# Altium PCB ZhuKong.PcbDoc (part 6 of 6)
Units mm, origin at the board's own origin, x right, y up, seen from the top; angles counter-clockwise.
Board outline 178.45 x 113.25 mm, 2 copper layers (Top Layer, Bottom Layer); 395 components, 351 nets, 1367 pads, 848 vias.
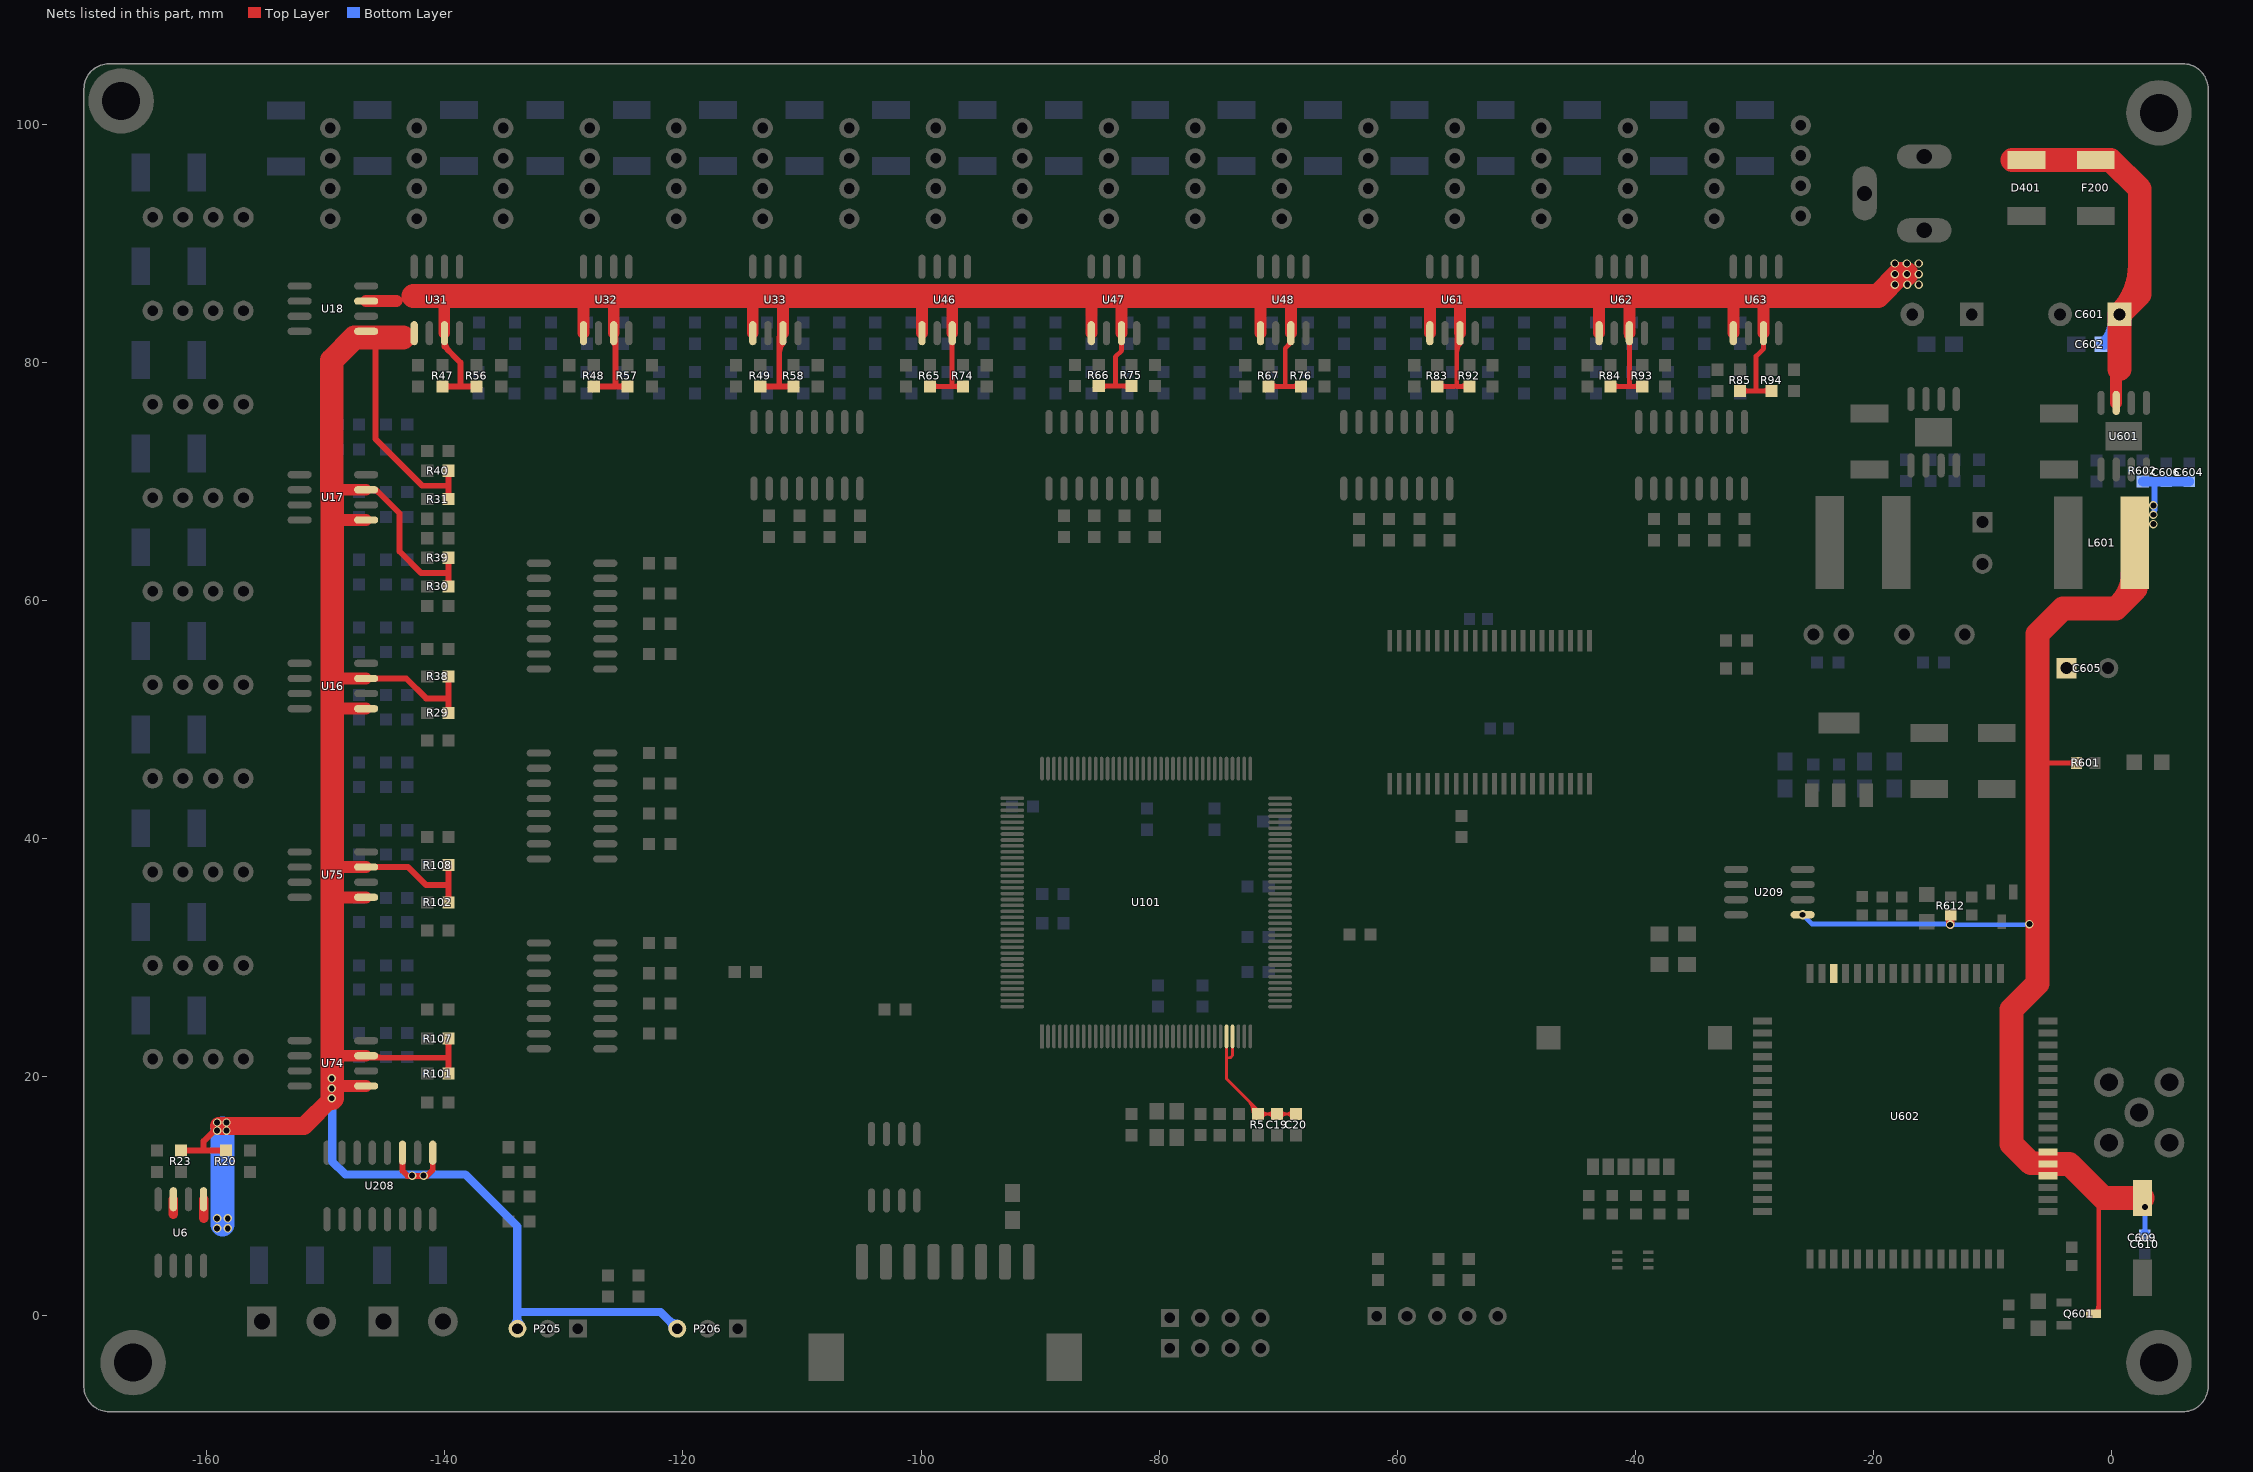
[diagram p6: the nets of this part, all layers, seen from the top]

## Via types
v1: diameter 0.5, hole 0.4, Top Layer to Bottom Layer, tented both sides, 554 vias
v2: diameter 0.7, hole 0.5, Top Layer to Bottom Layer, tented both sides, 134 vias
v3: diameter 0.6, hole 0.4, Top Layer to Bottom Layer, tented both sides, 77 vias
v4: diameter 0.7, hole 0.4, Top Layer to Bottom Layer, tented both sides, 40 vias
v5: diameter 0.8, hole 0.5, Top Layer to Bottom Layer, tented both sides, 32 vias
v6: diameter 0.5, hole 0.4, Top Layer to Bottom Layer, 5 vias
v7: diameter 0.9, hole 0.5, Top Layer to Bottom Layer, tented both sides, 4 vias
v8: diameter 0.5, hole 0.4, Top Layer to Bottom Layer, tented bottom, 1 vias
v9: diameter 0.8, hole 0.4, Top Layer to Bottom Layer, tented both sides, 1 vias

## Nets (pads, with @x,y where several pads share a name; then routed paths per layer and width w, separated by ;. In a path a pad name is that pad's centre, name@x,y a point inside that pad or via, vN(x,y) a via of type N, cw(c..) or ccw(c..) an arc to the next point about the centre after c; other vN are vias at no path point) (continued)
VCC12: C601.1 C602.1 D401.2 F200.1 P205.3 P206.3 R20.2 R23.2 R29.2 R30.2 R31.2 R38.2 R39.2 R40.2 R47.2 R48.2 R49.2 R56.2 R57.2 R58.2 R65.2 R66.2 R67.2 R74.2 R75.2 R76.2 R83.2 R84.2 R85.2 R92.2 R93.2 R94.2 R101.2 R102.2 R107.2 R108.2 U6.1 U6.3 U16.1 U16.3 U17.1 U17.3 U18.1 U18.3 U31.1 U31.3 U32.1 U32.3 U33.1 U33.3 U46.1 U46.3 U47.1 U47.3 U48.1 U48.3 U61.1 U61.3 U62.1 U62.3 U63.1 U63.3 U74.1 U74.3 U75.1 U75.3 U208.1 U208.3 U601.7 | length 564.9
  Top Layer w0.4: R65.2@-99.261,78.019 -97.282,78.019 ; R65.2@-99.043,77.801 cw(c-98.518,77.275) -98.518,78.019 cw(c-98.518,78.762) R65.2@-99.043,78.236 ; -97.398,81.471 cw(c-97.069,81.471) U46.3@-97.301,81.704 ; U46.3@-97.398,82.467 -97.398,78.134 -97.282,78.019 ; R74.2@-96.707,77.801 ccw(c-97.233,77.275) -97.233,78.019 ccw(c-97.233,78.762) R74.2@-96.707,78.236 ; R74.2@-96.49,78.019 -97.282,78.019 ; R66.2@-85.068,78.044 -83.668,78.044 ; R66.2@-84.85,77.826 cw(c-84.324,77.3) -84.324,78.044 cw(c-84.324,78.788) R66.2@-84.85,78.262 ; U47.3@-83.154,82.489 -83.154,81.006 -83.668,80.493 -83.668,78.044 ; R75.2@-82.538,77.826 ccw(c-83.064,77.3) -83.064,78.044 ccw(c-83.064,78.788) R75.2@-82.538,78.262 ; R75.2@-82.321,78.044 -83.668,78.044 ; R67.2@-70.798,78.019 -69.393,78.019 ; R67.2@-70.581,77.801 cw(c-70.055,77.275) -70.055,78.019 cw(c-70.055,78.762) R67.2@-70.581,78.236 ; -69.176,81.446 ccw(c-69.507,81.778) U48.3@-69.038,81.778 ; U48.3@-68.934,82.489 -68.934,81.688 -69.393,81.229 -69.393,78.019 ; R76.2@-68.293,77.801 ccw(c-68.819,77.275) -68.819,78.019 ccw(c-68.819,78.762) R76.2@-68.293,78.236 ; R76.2@-68.075,78.019 -69.393,78.019 ; R83.2@-56.631,78.019 -55.22,78.019 ; R83.2@-56.413,77.801 cw(c-55.887,77.275) -55.887,78.019 cw(c-55.887,78.762) R83.2@-56.413,78.236 ; -54.991,80.853 cw(c-53.788,80.853) U61.3@-54.639,81.704 ; U61.3@-54.713,82.489 -54.991,82.211 -54.991,78.019 R92.2@-53.932,78.019 ; R92.2@-54.15,77.801 ccw(c-54.675,77.275) -54.675,78.019 ccw(c-54.675,78.762) R92.2@-54.15,78.236 ; R84.2@-42.082,78.019 R93.2@-39.407,78.019 ; R84.2@-41.864,77.801 cw(c-41.338,77.275) -41.338,78.019 cw(c-41.338,78.762) R84.2@-41.864,78.236 ; U62.3@-40.742,82.239 -40.488,81.985 -40.488,78.019 ; R93.2@-39.625,77.801 ccw(c-40.151,77.275) -40.151,78.019 ccw(c-40.151,78.762) R93.2@-39.625,78.236 ; R85.2@-31.19,77.638 -29.845,77.638 ; R85.2@-30.973,77.42 cw(c-30.447,76.894) -30.447,77.638 cw(c-30.447,78.381) R85.2@-30.973,77.855 ; U63.3@-29.218,82.489 -29.218,81.196 -29.845,80.569 -29.845,77.638 ; R94.2@-28.758,77.42 ccw(c-29.284,76.894) -29.284,77.638 ccw(c-29.284,78.381) R94.2@-28.758,77.855 ; R94.2@-28.54,77.638 -29.845,77.638
  Top Layer w0.5: R23.2@-162.186,13.81 -160.274,13.81 ; R23.2@-162.003,13.628 cw(c-161.563,13.187) -161.563,13.81 cw(c-161.563,14.433) R23.2@-162.003,13.992 ; v2@-159.004,15.875 -160.274,14.605 -160.274,13.81 ; R20.2@-158.575,13.628 ccw(c-159.016,13.187) -159.016,13.81 ccw(c-159.016,14.433) R20.2@-158.575,13.992 ; R20.2@-158.393,13.81 -160.274,13.81 ; U75.3@-146.616,37.633 -143.093,37.633 -141.58,36.119 -139.708,36.119 ; U16.3@-146.616,53.482 -143.246,53.482 -141.58,51.816 -139.708,51.816 ; U17.3@-146.616,69.332 -145.786,69.332 -143.815,67.361 -143.815,64.16 -141.986,62.332 -139.708,62.332 ; U74.3@-146.449,21.615 -139.708,21.615 ; U17.3@-145.905,69.277 cw(c-145.905,68.856) -145.608,69.154 ; U74.3@-145.866,21.822 ccw(c-145.368,22.32) -145.368,21.615 ; -145.847,82.118 -145.847,73.609 -141.91,69.672 -139.708,69.672 ; U208.3@-143.561,13.64 -143.561,12.116 -143.129,11.684 -141.529,11.684 -141.021,12.192 U208.1@-141.021,13.64 ; R47.2@-140.19,78.019 -138.684,78.019 ; U31.3@-140.038,82.489 -140.038,81.364 -138.684,80.01 -138.684,78.019 ; R47.2@-140.008,77.836 cw(c-139.567,77.396) -139.567,78.019 cw(c-139.567,78.641) R47.2@-140.008,78.201 ; U31.3@-139.983,81.778 ccw(c-138.851,81.778) -139.652,80.978 ; R101.2@-139.89,20.464 ccw(c-140.33,20.904) -139.708,20.904 ccw(c-139.085,20.904) R101.2@-139.525,20.464 ; R107.2@-139.89,23.042 cw(c-140.33,22.601) -139.708,22.601 cw(c-139.085,22.601) R107.2@-139.525,23.042 ; R102.2@-139.89,34.854 ccw(c-140.33,35.294) -139.708,35.294 ccw(c-139.085,35.294) R102.2@-139.525,34.854 ; R108.2@-139.89,37.623 cw(c-140.33,37.183) -139.708,37.183 cw(c-139.085,37.183) R108.2@-139.525,37.623 ; R29.2@-139.89,50.768 ccw(c-140.33,51.209) -139.708,51.209 ccw(c-139.085,51.209) R29.2@-139.525,50.768 ; R38.2@-139.89,53.475 cw(c-140.33,53.035) -139.708,53.035 cw(c-139.085,53.035) R38.2@-139.525,53.475 ; R30.2@-139.89,61.401 ccw(c-140.33,61.841) -139.708,61.841 ccw(c-139.085,61.841) R30.2@-139.525,61.401 ; R39.2@-139.89,63.438 cw(c-140.33,62.998) -139.708,62.998 cw(c-139.085,62.998) R39.2@-139.525,63.438 ; R31.2@-139.89,68.723 ccw(c-140.33,69.164) -139.708,69.164 ccw(c-139.085,69.164) R31.2@-139.525,68.723 ; R40.2@-139.89,70.75 cw(c-140.33,70.309) -139.708,70.309 cw(c-139.085,70.309) R40.2@-139.525,70.75 ; R101.2@-139.708,20.281 -139.708,21.615 ; R107.2@-139.708,23.224 -139.708,21.615 ; R102.2@-139.708,34.672 -139.708,36.119 ; R108.2@-139.708,37.806 -139.708,36.119 ; R29.2@-139.708,50.586 -139.708,51.816 ; R38.2@-139.708,53.657 -139.708,51.816 ; R30.2@-139.708,61.218 -139.708,62.332 ; R39.2@-139.708,63.62 -139.708,62.332 ; R31.2@-139.708,68.541 -139.708,69.672 ; R40.2@-139.708,70.932 -139.708,69.672 ; R56.2@-137.528,77.836 ccw(c-137.968,77.396) -137.968,78.019 ccw(c-137.968,78.641) R56.2@-137.528,78.201 ; R56.2@-137.345,78.019 -138.684,78.019 ; R48.2@-127.495,78.019 -125.679,78.019 ; R48.2@-127.313,77.836 cw(c-126.873,77.396) -126.873,78.019 cw(c-126.873,78.641) R48.2@-127.313,78.201 ; U32.3@-125.856,81.739 cw(c-126.282,81.313) -125.679,81.313 ; U32.3@-125.679,82.351 -125.679,78.019 ; R57.2@-124.857,77.836 ccw(c-125.298,77.396) -125.298,78.019 ccw(c-125.298,78.641) R57.2@-124.857,78.201 ; R57.2@-124.675,78.019 -125.679,78.019 ; R49.2@-113.505,78.019 -112.039,78.019 ; R49.2@-113.323,77.836 cw(c-112.883,77.396) -112.883,78.019 cw(c-112.883,78.641) R49.2@-113.323,78.201 ; -111.912,80.882 cw(c-110.7,80.882) U33.3@-111.557,81.739 ; -111.912,82.042 cw(c-111.512,82.042) U33.3@-111.586,82.435 ; U33.3@-111.596,82.489 -111.912,82.173 -111.912,78.019 R58.2@-110.709,78.019 ; R58.2@-110.892,77.836 ccw(c-111.332,77.396) -111.332,78.019 ccw(c-111.332,78.641) R58.2@-110.892,78.201
  Top Layer w0.8: -162.814,8.458 U6.3@-162.814,9.728 ; -160.274,8.128 U6.1@-160.274,9.728
  Top Layer w1: -149.469,35.093 U75.1@-146.616,35.093 ; -149.469,69.332 U17.3@-146.616,69.332 ; v2@-149.432,19.243 U74.1@-146.616,19.243 ; -149.418,21.783 U74.3@-146.616,21.783 ; -149.418,37.633 U75.3@-146.616,37.633 ; -149.393,50.942 U16.1@-146.616,50.942 ; -149.337,53.482 U16.3@-146.616,53.482 ; -149.286,66.792 U17.1@-146.616,66.792 ; U18.3@-146.616,85.181 -144.059,85.181 ; U31.3@-140.056,82.507 -140.056,85.623 ; U32.1@-128.357,82.489 -128.357,85.587 -128.321,85.623 ; U32.3@-125.817,82.489 -125.817,85.558 ; U33.1@-114.136,82.489 -114.136,85.409 ; U33.3@-111.596,82.489 -111.596,85.434 ; U46.1@-99.915,82.489 -99.915,85.59 ; U46.3@-97.375,82.489 -97.375,85.428 ; U47.1@-85.694,82.489 -85.694,85.517 ; U47.3@-83.154,82.489 -83.154,85.466 ; U48.1@-71.474,82.489 -71.474,85.393 ; U48.3@-68.934,82.489 -68.934,85.52 ; U61.1@-57.253,82.489 -57.253,85.32 ; U61.3@-54.713,82.489 -54.713,85.47 ; U62.1@-43.032,82.489 -43.032,85.552 ; U62.3@-40.492,82.489 -40.492,85.45 ; U63.1@-31.758,82.489 -31.758,85.301 ; U63.3@-29.218,82.489 -29.218,85.623 ; U601.7@0.406,76.632 0.406,79.172
  Top Layer w1.5: v2@-159.004,15.875 -151.841,15.875 v2@-149.469,18.247
  Top Layer w2: -149.504,69.332 -149.504,80.213 -147.599,82.118 -145.847,82.118 -143.51,82.118 ; v2@-149.469,18.247 -149.469,35.093 -149.469,69.332 ; -142.637,85.623 -140.056,85.623 -128.393,85.623 ; -128.321,85.623 -29.218,85.623 -19.609,85.623 -17.78,87.452 v2(-17.183,87.452) ; D401.2@-8.331,97.041 F200.1@-1.309,97.041 -0.064,97.041 2.388,94.59 2.388,85.765 C601.1@0.697,84.074 ; 0.697,79.462 C601.1@0.697,84.074 ; 2.388,88.156 cw(c-3.386,88.156) C601.1@0.697,84.074
  Bottom Layer w0.7: v2@-149.469,19.66 -149.469,12.918 -148.361,11.811 -138.278,11.811 -133.909,7.442 -133.909,0.254 ; P205.3@-134.192,-0.86 ccw(c-134.874,-0.177) -133.909,-0.177 ccw(c-132.943,-0.177) P205.3@-133.626,-0.86 ; P205.3@-133.909,-1.143 -133.909,0.254 ; P206.3@-120.872,-1.143 ccw(c-121.838,-1.143) -121.155,-0.46 ccw(c-120.472,0.223) P206.3@-120.472,-0.743 ; P206.3@-120.472,-1.143 -121.869,0.254 -133.909,0.254
  Bottom Layer w1: C602.1@-0.66,81.559 0.697,82.916 ; C602.1@-0.66,81.559 ccw(c-2.782,83.682) C601.1@0.2,84.018 ; C601.1@0.354,83.71 cw(c-0.393,82.916) 0.697,82.916 ; C601.1@0.697,84.074 0.697,82.916 ; 0.808,83.028 ccw(c-0.144,83.979) C601.1@1.193,84.13 ; C601.1@1.039,83.71 ccw(c1.786,82.916) 0.697,82.916
  Bottom Layer w2: -158.674,7.62 -158.674,15.697
  other v2: -159.131,7.29 -158.242,7.29 -159.131,8.128 -158.242,8.128 -142.748,11.709 -141.783,11.709 -159.131,15.494 -158.344,15.494 -159.131,16.18 -158.344,16.18 -149.504,18.212 -149.504,19.05 -149.504,19.888 -18.186,86.563 -17.145,86.563 -16.18,86.563 -18.186,87.452 -16.18,87.452 -18.186,88.341 -17.183,88.341 -16.18,88.341
VCC_GPRS: C604.1 C605.1 C606.2 C609.1 C610.1 L601.2 Q601.3 R601.1 R602.2 R612.1 U209.1 U602.55 U602.56 U602.57 | length 123.7
  Top Layer w0.4: R612.1@-13.47,33.579 R612.1@-13.411,33.579 ; -8.382,25.679 -6.883,27.178 v2(-6.883,32.842) ; -5.944,46.38 R601.1@-2.929,46.38 ; R601.1@-3.116,46.193 ccw(c-3.569,45.741) -3.569,46.38 ccw(c-3.569,47.02) R601.1@-3.116,46.568 ; Q601.3@-1.493,0.102 -1.067,0.528 ; Q601.3@-1.324,0.208 ccw(c-1.946,0.829) -1.067,0.829 ; Q601.3@-1.268,0.243 ccw(c-1.369,0.528) -1.067,0.528 ; Q601.3@-1.096,0.188 cw(c-0.88,0.341) -1.067,0.528 ; -0.662,9.831 -1.067,9.426 -1.067,0.528
  Top Layer w0.7: v2(-13.538,32.791) R612.1@-13.538,33.511
  Top Layer w2: U602.56@-5.817,12.751 -6.756,12.751 -8.382,14.376 -8.382,25.679 -6.198,27.864 -6.198,57.226 -4.064,59.36 0.381,59.36 2.032,61.011 L601.2@2.032,63.809 ; U602.56@-4.851,12.702 -3.533,12.702 -0.662,9.831 C609.1@2.616,9.831 ; 0.78,59.759 ccw(c-1.637,62.176) L601.2@1.781,62.176
  Bottom Layer w0.4: v5(-25.933,33.63) -25.146,32.842 v2@-13.538,32.842 ; v2(-13.538,32.791) -6.883,32.791 v2(-6.883,32.842) ; C610.1@2.632,6.901 ccw(c2.18,7.353) 2.819,7.353 ccw(c3.459,7.353) C610.1@3.007,6.901 ; C610.1@2.819,6.714 v2(2.819,9.068)
  Bottom Layer w0.5: 3.632,67.64 3.632,69.621
  Bottom Layer w0.8: R602.2@2.635,70.028 C606.2@4.599,70.028 ; C606.2@4.614,70.028 C604.1@6.539,70.028
  other v2: 3.531,66.446 3.531,67.234 3.531,68.021
VDD_EXT: U602.15
VDDA: C19.1 C20.1 R5.1 U101.32 U101.33 | length 21.1
  Top Layer w0.25: U101.32@-74.334,23.411 -74.334,21.615 ; U101.33@-73.834,23.411 -73.834,21.797 -74.016,21.615 -74.334,21.615 ; -72.584,18.101 cw(c-73.803,16.881) R5.1@-72.078,16.881 ; -72.157,17.674 cw(c-72.95,16.881) R5.1@-71.828,16.881 ; R5.1@-71.424,16.61 cw(c-70.771,15.956) -70.771,16.881 cw(c-70.771,17.805) R5.1@-71.424,17.152 ; C19.1@-70.363,16.61 ccw(c-71.017,15.956) -71.017,16.881 ccw(c-71.017,17.805) C19.1@-70.363,17.152 ; C19.1@-69.821,16.61 cw(c-69.168,15.956) -69.168,16.881 cw(c-69.168,17.805) C19.1@-69.821,17.152 ; C20.1@-68.76,16.61 ccw(c-69.414,15.956) -69.414,16.881 ccw(c-69.414,17.805) C20.1@-68.76,17.152 ; C20.1@-68.489,16.881 C19.1@-70.092,16.881 R5.1@-71.695,16.881 -71.695,17.212 -74.334,19.851 -74.334,21.615
pads on no net: LCD1.0 LCD1.6 U401.2 U401.3 U401.5 U601.2 U601.3 U601.5 U602.2 U602.3 U602.5 U602.6 U602.7 U602.8 U602.11 U602.12 U602.13 U602.14 U602.16 U602.23 U602.24 U602.25 U602.26 U602.34 U602.35 U602.36 U602.37 U602.38 U602.40 U602.41 U602.42 U602.43 U602.44 U602.47 U602.48 U602.49 U602.50 U602.51 U602.66 U602.67 U602.68 U603. U603.5 U605.5

## Polygon pours and split planes (outlines as drawn)
GND on Top Layer "Top Overlay-No Net" (solid, pour order 5): -168.681,104.648 -169.875,103.454 -169.875,102.743 -169.875,-6.045 -170.053,-6.223 -168.275,-8.001 -168.275,-8.331 -167.945,-8.001 7.036,-8.001 7.036,-7.518 8.179,-6.375 8,-6.197 8,103 8,103.684 6.883,104.8
GND_MCU on Top Layer "Top Overlay-No Net" (solid, pour order 6): -125.501,68.428 -125.425,68.351 -125.425,13.919 -35.179,13.919 -35.128,13.868 -35.281,14.021 -35.281,68.478
GND on Bottom Layer "Top Overlay-No Net" (solid, pour order 8): -167.411,104.851 -169.951,102.311 -170.358,102.311 -170.358,-5.664 -170.459,-5.766 -168.326,-7.899 -167.513,-7.899 5.944,-7.899 6.223,-7.62 7.874,-5.969 7.874,-4.674 7.874,102.311 7.696,102.489 5.334,104.851
GND_MCU on Bottom Layer "Top Overlay-No Net" (solid, pour order 7): -125.679,68.326 -125.679,14.3 -125.501,14.122 -125.273,13.894 -35.179,13.894 -35.179,68.351 -35.357,68.529

## Keep-outs
Keep-Out Layer:
  lines w0.254: -170.2,-6 ccw(c-168.2,-6) -168.2,-8 6,-8 ccw(c6,-6) 8,-6 8,103 ccw(c6,103) 6,105 -168.2,105 ccw(c-168.2,103) -170.2,103 -170.2,-6

## Other copper
Top Layer:
  rectangle net VCC_GPRS: 2.057,65.913 4.064,68.555
  rectangle net NetC401_1: -2.972,89.357 -0.762,93.523
  rectangle net GND: -21.641,70.714 -18.821,73.457
  rectangle net GND: -21.641,73.101 -13.691,74.498
  rectangle net GND: -5.842,70.815 -3.023,73.66
  rectangle net GND: -5.842,72.593 4.394,74.32
  rectangle net VCC_GPRS: -5.512,52.4 -2.845,58.699
  rectangle net GND: -0.203,72.441 7.01,74.854
  rectangle net GND: 0.66,0.711 7.01,4.978
  rectangle net GND: 4.47,1.549 7.01,74.473
  rectangle net VCC_GPRS: -6.071,11.76 -4.572,13.792
  rectangle net GND: -6.071,17.45 -4.547,21.742
  rectangle net GND_MCU: -26.822,42.647 -24.308,47.092
  rectangle net NetD5_2: -161.696,3.251 -160.325,4.826
  rectangle net NetD6_2: -164.236,3.251 -162.382,4.877
  rectangle net NetD33_2: -152.959,19.152 -151.359,20.523
  rectangle net NetD35_2: -152.908,21.971 -151.333,23.114
  rectangle net NetD34_2: -152.908,35.204 -151.359,36.373
  rectangle net NetD36_2: -152.908,37.567 -151.257,38.913
  rectangle net NetD9_2: -152.908,50.927 -151.282,52.172
  rectangle net NetD12_2: -153.06,53.467 -151.181,54.788
  rectangle net NetD10_2: -153.086,67.081 -151.206,68.123
  rectangle net NetD13_2: -152.984,69.418 -151.181,70.612
  rectangle net NetD11_2: -152.908,82.702 -151.232,84.049
  rectangle net NetD14_2: -152.984,85.09 -151.384,86.614
  rectangle net NetD18_2: -140.056,87.249 -138.608,88.824
  rectangle net NetD15_2: -142.748,87.351 -141.326,88.875
  rectangle net VCC12: -144.577,81.94 -142.519,86.639
  rectangle net NetD19_2: -125.959,87.249 -124.562,88.849
  rectangle net NetD16_2: -128.397,87.173 -126.949,88.722
  rectangle net NetD20_2: -111.684,87.224 -110.338,88.875
  rectangle net NetD17_2: -114.275,87.224 -112.878,88.849
  rectangle net NetD24_2: -97.511,87.249 -96.114,88.849
  rectangle net NetD21_2: -100.051,87.249 -98.628,88.824
  rectangle net NetD25_2: -83.337,87.198 -81.864,88.875
  rectangle net NetD22_2: -85.877,87.224 -84.303,88.824
  rectangle net NetD26_2: -69.012,87.198 -67.539,88.824
  rectangle net NetD23_2: -71.577,87.249 -70.129,88.798
  rectangle net NetD30_2: -54.813,87.198 -53.391,88.925
  rectangle net NetD27_2: -57.353,87.198 -55.956,88.798
  rectangle net NetD28_2: -43.205,87.198 -41.732,88.824
  rectangle net NetD31_2: -40.564,87.3 -39.141,88.849
  rectangle net NetD29_2: -31.979,87.173 -30.48,88.925
  rectangle net NetD32_2: -29.439,87.173 -27.889,89.027
  rectangle net VCC12: -18.72,85.852 -15.494,88.9
  rectangle net VCC5: -19.202,59.919 -16.993,63.729
  rectangle net NetC403_2: -21.895,75.717 -16.485,78.613
  rectangle net NetC401_1: -2.972,91.135 0.406,93.523
  rectangle net NetD401_1: -17.831,90.475 -4.369,94.386
  rectangle net NetC603_2: -6.452,75.667 -0.635,77.902
  rectangle net VCC3.3_MCU: -129.464,15.291 -127.864,15.875
  rectangle net VCC5: -104.877,3.454 -102.768,5.639
  rectangle net GND: -92.837,3.835 -89.586,5.359
  rectangle net GND: -7.722,9.601 -4.547,10.77
  rectangle net VCC12: -163.22,6.883 -157.556,8.433
Bottom Layer:
  rectangle net NetC401_1: -2.972,89.535 -0.889,92.507
  rectangle net GND: -11.379,42.977 6.477,45.11
  rectangle net GND: -7.772,79.146 -2.286,84.658
  rectangle net GND: -19.99,79.273 -14.656,85.014
  rectangle net GND: -30.251,72.339 -20.523,73.508
  rectangle net GND: -16.637,72.746 -10.058,79.045
  rectangle net NetC401_1: -8.509,91.059 0.508,93.472
  rectangle net GND: -161.417,99.06 -157.988,101.219
  rectangle net GND: -159.385,99.06 -17.78,103.505
  rectangle net GND: -21.692,95.834 0.61,103.378
  rectangle net GND: -22.454,91.745 -18.567,99.771
  rectangle net VCC3.3M: -38.887,31.14 -37.059,32.791
  rectangle net GND: -0.711,72.568 2.642,75.336
  rectangle net GND: -16.662,72.822 -13.31,75.59
  rectangle net VCC12: -1.372,82.931 2.083,87.782
  rectangle net VCC12: -18.72,85.776 2.083,88.9
  rectangle net NetC603_1: -1.753,69.52 -0.457,70.841
  rectangle net NetC403_1: -17.755,69.545 -16.535,70.866
  rectangle net VCC_GPRS: 2.997,66.04 4.14,68.605
  rectangle net VCC3.3_MCU: -31.039,50.749 -30.099,52.959
  rectangle net GND: -93.167,3.099 -90.83,5.893
  region net NetD35_2: -162.933,28.736 -162.578,28.38 -161.409,28.38 -161.028,28.761 -161.028,31.149 -160.8,31.377 -160.063,31.377 -159.758,31.682 -159.758,34.705 -160.038,34.984 -162.552,34.984 -162.933,34.603
  region net NetD33_2: -162.941,20.879 -162.585,20.523 -161.417,20.523 -161.036,20.904 -161.036,23.292 -160.807,23.52 -160.071,23.52 -159.766,23.825 -159.766,26.848 -160.045,27.127 -162.56,27.127 -162.941,26.746
  region net NetD36_2: -162.941,44.45 -162.585,44.094 -161.417,44.094 -161.036,44.475 -161.036,46.863 -160.807,47.092 -160.071,47.092 -159.766,47.396 -159.766,50.419 -160.045,50.698 -162.56,50.698 -162.941,50.317
  region net NetD34_2: -162.949,36.593 -162.593,36.237 -161.425,36.237 -161.044,36.618 -161.044,39.006 -160.815,39.235 -160.078,39.235 -159.774,39.539 -159.774,42.562 -160.053,42.841 -162.568,42.841 -162.949,42.46
  region net NetD12_2: -162.941,60.164 -162.585,59.809 -161.417,59.809 -161.036,60.19 -161.036,62.577 -160.807,62.806 -160.071,62.806 -159.766,63.111 -159.766,66.133 -160.045,66.413 -162.56,66.413 -162.941,66.032
  region net NetD9_2: -162.949,52.307 -162.593,51.951 -161.425,51.951 -161.044,52.332 -161.044,54.72 -160.815,54.949 -160.078,54.949 -159.774,55.253 -159.774,58.276 -160.053,58.555 -162.568,58.555 -162.949,58.174
  region net NetD13_2: -162.941,75.878 -162.585,75.523 -161.417,75.523 -161.036,75.904 -161.036,78.291 -160.807,78.52 -160.071,78.52 -159.766,78.825 -159.766,81.847 -160.045,82.127 -162.56,82.127 -162.941,81.746
  region net NetD10_2: -162.949,68.021 -162.593,67.666 -161.425,67.666 -161.044,68.047 -161.044,70.434 -160.815,70.663 -160.078,70.663 -159.774,70.968 -159.774,73.99 -160.053,74.27 -162.568,74.27 -162.949,73.889
  region net NetD11_2: -162.949,83.735 -162.593,83.38 -161.425,83.38 -161.044,83.761 -161.044,86.148 -160.815,86.377 -160.078,86.377 -159.774,86.682 -159.774,89.704 -160.053,89.984 -162.568,89.984 -162.949,89.603
  region net NetD14_2: -162.814,91.567 -162.585,91.237 -161.417,91.237 -161.036,91.618 -161.036,94.005 -160.807,94.234 -160.071,94.234 -159.766,94.539 -159.766,97.409 -160.02,97.663 -161.671,97.663 -162.814,96.52
  region net NetD15_2: -149.073,98.146 -148.565,97.638 -148.565,96.723 -149.073,96.215 -151.105,96.215 -152.095,95.225 -154.864,95.225 -155.092,95.453 -155.092,97.79 -154.737,98.146
  region net NetD18_2: -141.805,98.146 -141.297,97.638 -141.297,96.723 -141.805,96.215 -143.837,96.215 -144.828,95.225 -147.596,95.225 -147.825,95.453 -147.825,97.79 -147.469,98.146
  region net NetD16_2: -134.538,98.146 -134.03,97.638 -134.03,96.723 -134.538,96.215 -136.57,96.215 -137.56,95.225 -140.329,95.225 -140.558,95.453 -140.558,97.79 -140.202,98.146
  region net NetD19_2: -127.27,98.146 -126.762,97.638 -126.762,96.723 -127.27,96.215 -129.302,96.215 -130.293,95.225 -133.062,95.225 -133.29,95.453 -133.29,97.79 -132.935,98.146
  region net NetD17_2: -120.003,98.146 -119.495,97.638 -119.495,96.723 -120.003,96.215 -122.035,96.215 -123.026,95.225 -125.794,95.225 -126.023,95.453 -126.023,97.79 -125.667,98.146
  region net NetD20_2: -112.736,98.146 -112.228,97.638 -112.228,96.723 -112.736,96.215 -114.768,96.215 -115.758,95.225 -118.527,95.225 -118.755,95.453 -118.755,97.79 -118.4,98.146
  region net NetD21_2: -105.468,98.146 -104.96,97.638 -104.96,96.723 -105.468,96.215 -107.5,96.215 -108.491,95.225 -111.259,95.225 -111.488,95.453 -111.488,97.79 -111.132,98.146
  region net NetD24_2: -98.201,98.146 -97.693,97.638 -97.693,96.723 -98.201,96.215 -100.233,96.215 -101.223,95.225 -103.992,95.225 -104.221,95.453 -104.221,97.79 -103.865,98.146
  region net NetD22_2: -90.933,98.146 -90.426,97.638 -90.425,96.723 -90.934,96.215 -92.965,96.215 -93.956,95.225 -96.725,95.225 -96.953,95.453 -96.953,97.79 -96.598,98.146
  region net NetD25_2: -83.666,98.146 -83.158,97.638 -83.158,96.723 -83.666,96.215 -85.698,96.215 -86.689,95.225 -89.457,95.225 -89.686,95.453 -89.686,97.79 -89.33,98.146
  region net NetD23_2: -76.399,98.146 -75.891,97.638 -75.891,96.723 -76.399,96.215 -78.431,96.215 -79.421,95.225 -82.19,95.225 -82.419,95.453 -82.419,97.79 -82.063,98.146
  region net NetD26_2: -69.131,98.146 -68.623,97.638 -68.623,96.723 -69.131,96.215 -71.163,96.215 -72.154,95.225 -74.923,95.225 -75.151,95.453 -75.151,97.79 -74.796,98.146
  region net NetD27_2: -61.864,98.146 -61.356,97.638 -61.356,96.723 -61.864,96.215 -63.896,96.215 -64.887,95.225 -67.655,95.225 -67.884,95.453 -67.884,97.79 -67.528,98.146
  region net NetD30_2: -54.597,98.146 -54.089,97.638 -54.089,96.723 -54.597,96.215 -56.629,96.215 -57.619,95.225 -60.388,95.225 -60.616,95.453 -60.616,97.79 -60.261,98.146
  region net NetD28_2: -47.329,98.146 -46.821,97.638 -46.821,96.723 -47.329,96.215 -49.361,96.215 -50.352,95.225 -53.12,95.225 -53.349,95.453 -53.349,97.79 -52.993,98.146
  region net NetD31_2: -40.062,98.146 -39.554,97.638 -39.554,96.723 -40.062,96.215 -42.094,96.215 -43.084,95.225 -45.853,95.225 -46.082,95.453 -46.082,97.79 -45.726,98.146
  region net NetD29_2: -32.794,98.146 -32.286,97.638 -32.286,96.723 -32.794,96.215 -34.826,96.215 -35.817,95.225 -38.586,95.225 -38.814,95.453 -38.814,97.79 -38.459,98.146
  region net NetD32_2: -25.527,98.374 -25.019,97.866 -25.019,96.952 -25.527,96.444 -27.559,96.444 -28.55,95.453 -31.318,95.453 -31.547,95.682 -31.547,98.019 -31.191,98.374

## Silkscreen, mask and mechanical layers (free items; w line width, h text height)
Top Overlay:
  text "12V-4A" at -9.017,101.905 h1.8
  text "BOOT0" at -62.306,11.506 h1.2 r270
  text "GND" at -51.935,9.37 h1.2 r270
  text "3V3" at -59.713,9.244 h1.2 r270
  text "CLK" at -54.528,9.118 h1.2 r270
  text "DIO" at -57.121,8.541 h1.2 r270
  text "1TX" at -77.245,4.789 h1.2 r270
  text "1RX" at -74.678,4.789 h1.2 r270
  text "3V3" at -72.111,4.789 h1.2 r270
  text "GND" at -78.613,1.727 h1.2 r90
  text "12V" at -133.426,0.686 h1.2 r90
  text "GND" at -130.988,0.686 h1.2 r90
  text "HW2" at -128.295,0.686 h1.2 r90
  text "12V" at -119.964,0.686 h1.2 r90
  text "GND" at -117.551,0.686 h1.2 r90
  text "HW1" at -114.91,0.686 h1.2 r90
  text "5V" at -104.211,0 h1.2 r90
  text "5V" at -102.245,0 h1.2 r90
  text "NC" at -100.279,0 h1.2 r90
  text "RX" at -98.313,0 h1.2 r90
  text "TX" at -96.347,0 h1.2 r90
  text "TX" at -94.381,0 h1.2 r90
  text "GND" at -92.415,-1.27 h1.2 r90
  text "GND" at -90.449,-1.27 h1.2 r90
  text "智能售货机V2.0--刘磊" at -47.015,-4.039 h3
  text "3RX" at -77.245,-4.445 h1.2 r270
  text "3TX" at -74.678,-4.445 h1.2 r270
  text "3V3" at -72.111,-4.445 h1.2 r270
  text "JDQ1" at -157.048,-7.315 h1.2
  text "GND" at -152.121,-7.315 h1.2
  text "GND" at -147.193,-7.315 h1.2
  text "JDQ2" at -142.265,-7.315 h1.2
  text "GND" at -78.613,-7.507 h1.2 r90

## Text inside footprints (layer, text, board x,y; h text height)
C401: Top Overlay "+" at -11.191,82.855 h1.1 r180; Top Overlay "-" at -16.22,82.855 h1.1 r180
C404: Top Overlay "-" at -9.985,64.117 h1.1 r270; Top Overlay "+" at -9.934,67.114 h1.1 r270
C601: Top Overlay "-" at -3.799,82.855 h1.1 r180; Top Overlay "+" at 1.23,82.855 h1.1 r180
C605: Top Overlay "+" at -4.274,55.242 h1.1; Top Overlay "-" at -1.277,55.191 h1.1
P102: Top Overlay "1" at -64.026,-0.983 h1.1
P209: Top Overlay "1" at -81.838,-0.994 h1.52
P211: Top Overlay "1" at -81.838,-3.534 h1.52
U101: Top Overlay "130" at -93.822,32.58 h0.51 r180; Top Overlay "140" at -93.873,27.576 h0.51 r180; Top Overlay "120" at -93.848,37.66 h0.51 r180; Top Overlay "110" at -93.873,42.639 h0.51 r180; Top Overlay "100" at -86.101,47.414 h0.51 r90; Top Overlay "90" at -81.122,47.465 h0.51 r90; Top Overlay "80" at -76.068,47.465 h0.51 r90; Top Overlay "70" at -67.482,42.207 h0.51 r180; Top Overlay "60" at -67.457,37.178 h0.51 r180; Top Overlay "50" at -67.482,32.199 h0.51 r180; Top Overlay "40" at -67.457,27.094 h0.51 r180; Top Overlay "30" at -75.509,21.023 h0.51 r90; Top Overlay "20" at -80.538,20.998 h0.51 r90; Top Overlay "10" at -85.516,21.023 h0.51 r90; Top Overlay "1" at -90.114,21.176 h0.51 r90
U403: Top Overlay "1" at -25.319,54.375 h1.1